# Altium PCB PCB_control_unit.PcbDoc
Units mm, origin at the board's own origin, x right, y up, seen from the top; angles counter-clockwise.
Board outline 59 x 45 mm, 4 copper layers (Top Layer, INT1, INT2, Bottom Layer), stack 1.422 mm thick; 111 components, 76 nets, 374 pads, 6 vias.
Unrouted connection lines stored in the file: 240.
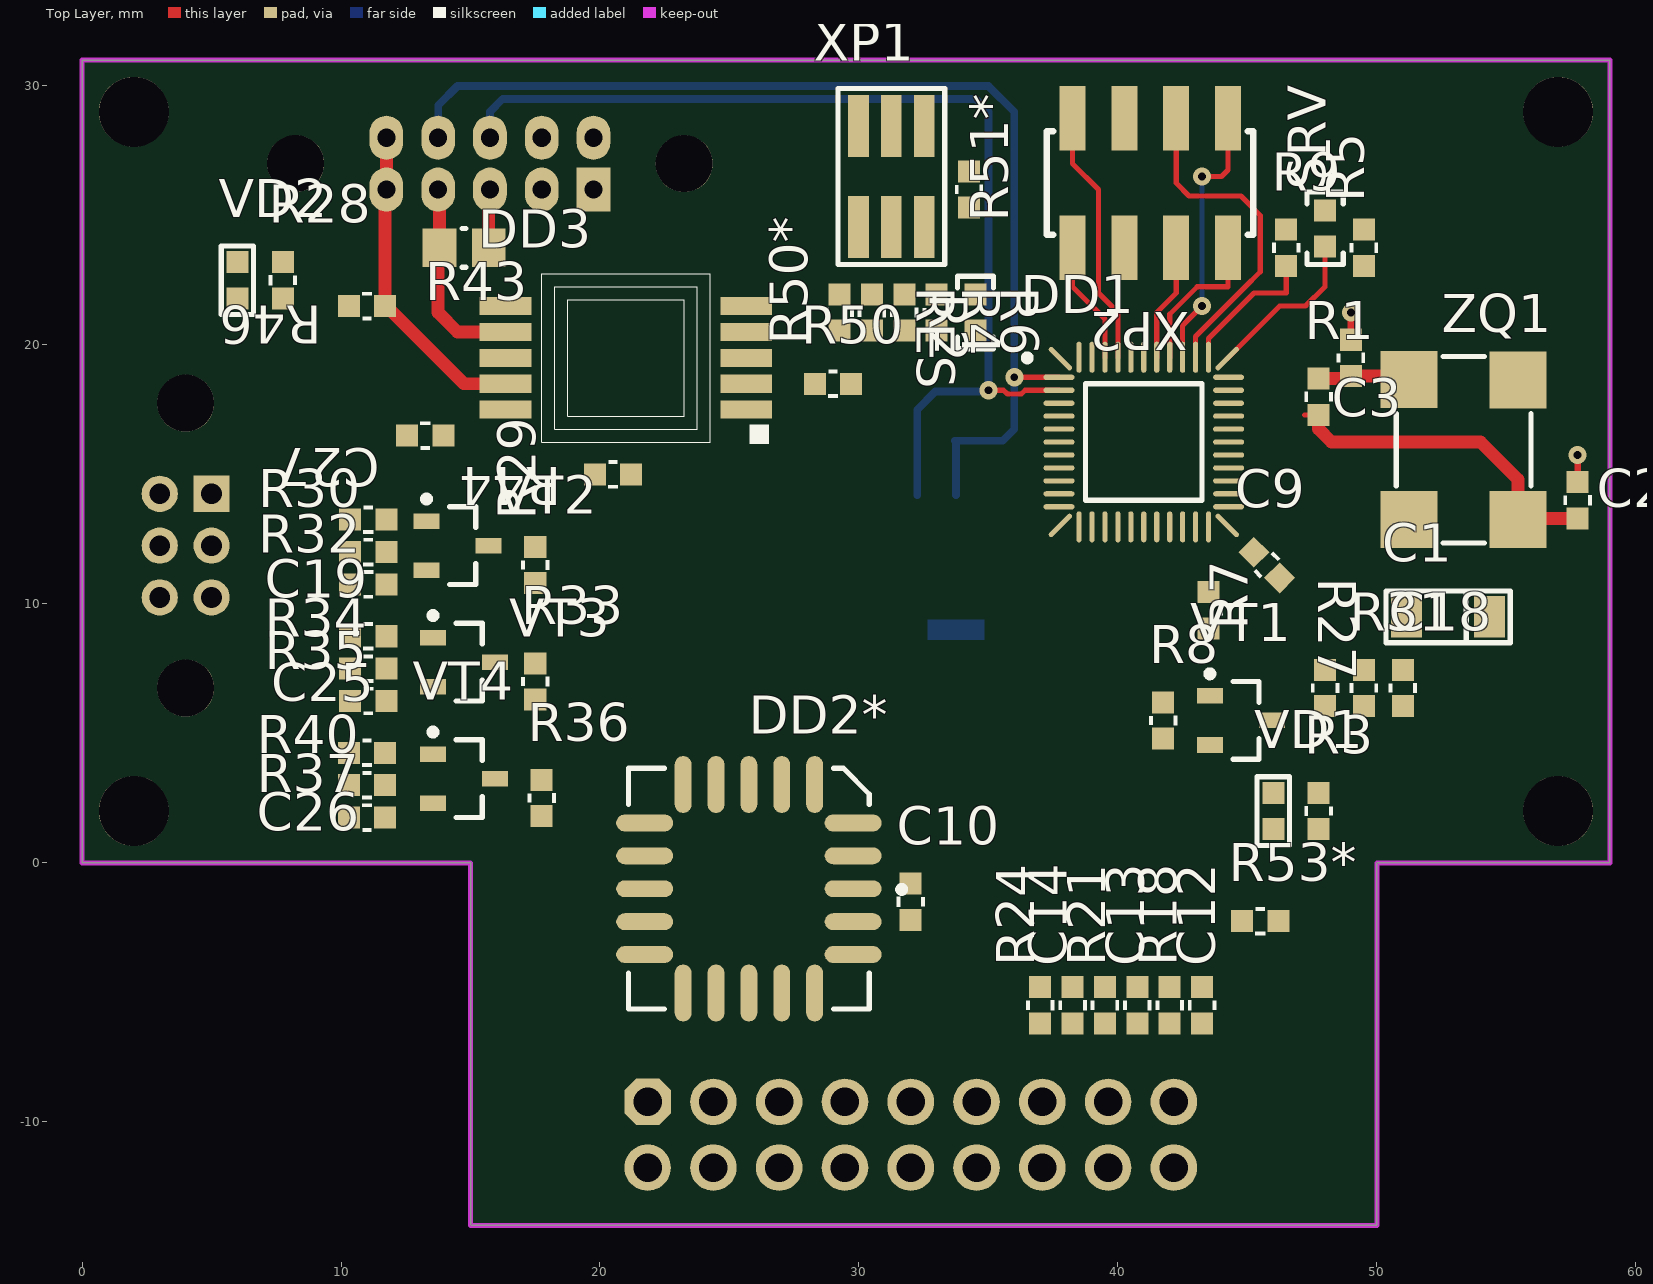
[diagram p0: Top Layer view]
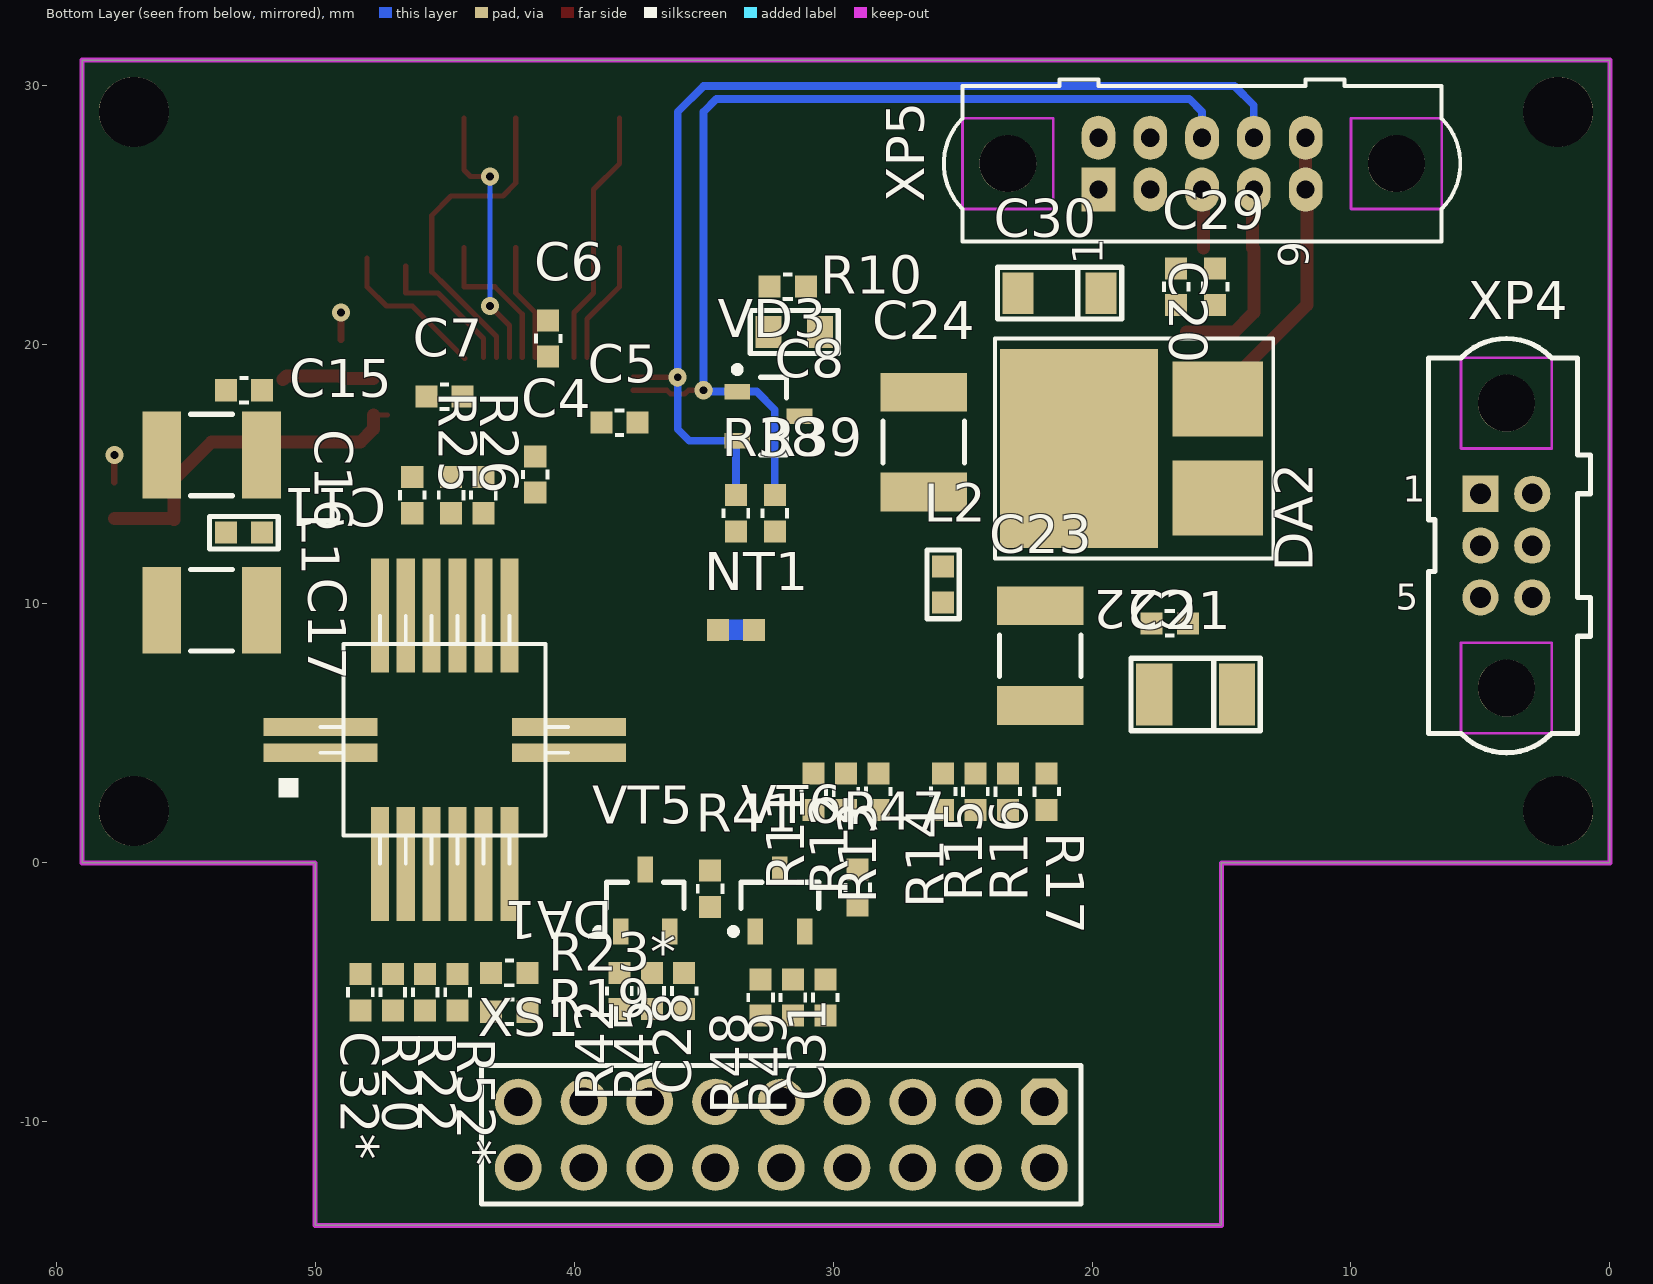
[diagram p1: Bottom Layer view, seen from below]

## Layer stack, top to bottom
Top Solder: solder mask 0.0102, Solder Resist, Dk 3.5
Top Layer: signal copper 0.018
PREPREG1: prepreg 0.32, 2116+7628, Dk 4.2
INT1: signal copper 0.018
CORE1: core 0.71, FR-4, Dk 4.2
INT2: signal copper 0.018
PREPREG2: prepreg 0.32, 2116+7628, Dk 4.2
Bottom Layer: signal copper 0.018
Bottom Solder: solder mask 0.0102, Solder Resist, Dk 3.5

## Board outline
0,0 0,31 59,31 59,0 50,0 50,-14 15,-14 15,0

## Design rules (kind name [scope] priority, off if disabled: settings)
Clearance KeepOutLayer [OnLayer('Keep-Out Layer')] p1: gap=0.5 ignorepadtopadclearanceinfootprint=FALSE except(0: Arc-Hole Track-Hole SMDPad-Hole THPad-Hole Via-Hole Fill-Hole Poly-Hole Region-Hole Text-Hole)
Clearance Clearance_0.125 [InComponent('DD1') vs InComponent('DD1')] p2: gap=0.2 ignorepadtopadclearanceinfootprint=FALSE except(0: Arc-Hole Track-Hole SMDPad-Hole THPad-Hole Via-Hole Fill-Hole Poly-Hole Region-Hole Text-Hole; 0.125: SMDPad-SMDPad) // Зазор между падами процессора;
Clearance Clearance_Polygon [InPolygon] p3: gap=0.4 ignorepadtopadclearanceinfootprint=FALSE except(0: Arc-Hole Track-Hole SMDPad-Hole THPad-Hole Via-Hole Fill-Hole Poly-Hole Region-Hole Text-Hole)
Clearance Clearance_MultiLayerPad [OnLayer('Multi-Layer') and IsPad] p4: gap=0.2 ignorepadtopadclearanceinfootprint=FALSE except(0: Arc-Hole Track-Hole SMDPad-Hole THPad-Hole Via-Hole Fill-Hole Poly-Hole Region-Hole Text-Hole)
Clearance [All] p5: gap=0.2 ignorepadtopadclearanceinfootprint=FALSE except(0: Arc-Hole Track-Hole SMDPad-Hole THPad-Hole Via-Hole Fill-Hole Poly-Hole Region-Hole Text-Hole)
ComponentClearance [All] p1 off: gap=0.254 collisioncheckmode=3 verticalgap=0.254 showdistances=FALSE
DiffPairsRouting [All] p1: maxlimit=0.254 minlimit=0.15 mostfreqgap=0.254 toplayer_minwidth=0.15 toplayer_maxwidth=0.381 toplayer_prefwidth=0.381 midlayer1_minwidth=0.15 midlayer1_maxwidth=0.381 midlayer1_prefwidth=0.381 midlayer2_minwidth=0.15 midlayer2_maxwidth=0.381 midlayer2_prefwidth=0.381 bottomlayer_minwidth=0.15 bottomlayer_maxwidth=0.381 bottomlayer_prefwidth=0.381 maxuncoupledlength=12.7
Height [All] p1: minheight=0 maxheight=60 prefheight=12.7
HoleSize [All] p1: absolutevalues=TRUE maxlimit=5 minlimit=0.3 maxpercent=80.000 minpercent=20.000
HoleToHoleClearance [All] p1: gap=0.2 allowstackedmicrovias=TRUE
MinimumAnnularRing MinimumAnnularRing_1 [All] p1: minimumring=0.2
MinimumSolderMaskSliver [All] p1: minsoldermaskwidth=0.15
PlaneClearance [All] p1: clearance=0.5
PlaneConnect [All] p1: planeconnectstyle=Relief reliefexpansion=0.5 reliefentries=4 reliefconductorwidth=0.3 reliefairgap=0.2
PolygonConnect PolygonConnect_PowerPAD [All vs InPadClass('PowerPAD')] p1: connectstyle=Direct reliefconductorwidth=1 reliefentries=4 polygonreliefangle="90 Angle" airgapwidth=0.3
PolygonConnect PolygonConnect_PadGND [InNet('GND') and IsPad] p2: connectstyle=Relief reliefconductorwidth=0.4 reliefentries=4 polygonreliefangle="90 Angle" airgapwidth=0.2
PolygonConnect PolygonConnect_PadGND2 [InNet('GND2') and IsPad] p3: connectstyle=Relief reliefconductorwidth=0.4 reliefentries=4 polygonreliefangle="90 Angle" airgapwidth=0.2
PolygonConnect PolygonConnect_Via [IsVia] p4: connectstyle=Direct reliefconductorwidth=0.254 reliefentries=4 polygonreliefangle="90 Angle" airgapwidth=0.254
PolygonConnect [All] p5: connectstyle=Relief reliefconductorwidth=0.6 reliefentries=4 polygonreliefangle="90 Angle" airgapwidth=0.3
RoutingVias [All] p1: holewidth=0.3 width=0.7 viastyle="Through Hole" minholewidth=0.3 minwidth=0.7 maxholewidth=0.5 maxwidth=1.2
SilkToSilkClearance [All] p1: silktosilkclearance=0
SilkToSolderMaskClearance [IsPad] p1: minsilkscreentomaskgap=0.05 clearancetoexposedcopper=TRUE
SolderMaskExpansion [All] p1: expansion=0.1
Width [All] p1: maxlimit=10 minlimit=0.2 preferedwidth=0.6
20 further rules are at their usual default settings.

## Classes and differential pairs
component class Sheet3: C15 C16 C17 C18 C19 C20 C21 C22 C23 C24 C25 C26 C27 C28 C29 C30 C31 DA2 DD3 L1 L2 NT1 R27 R28 R29 R30 R31 R32 R33 R34 R35 R36 R37 R38 R39 R40 R41 R42 R43 R44 R45 R46 R47 R48 R49 R50 VD2 VD3 VT2 VT3 VT4 VT5 VT6 XP4 XP5
component class Sheet2: C10 C11 C12 C13 C14 C32* DA1 DD2* R11 R12 R13 R14 R15 R16 R17 R18 R19 R20 R21 R22 R23* R24 R25 R26 R52* R53* XS1
component class Sheet1: C1 C2 C3 C4 C5 C6 C7 C8 C9 DD1 R1 R2 R3 R4 R5 R6 R7 R8 R9 R10 R50* R51* RES SRV VD1 VT1 XP1 XP2 ZQ1

## Components (designator, comment, footprint, x,y, rotation, side; value= is the part's Value field where it differs from the comment)
C1 "Tantalum capacitor, 4.7мк, 10V, ±10%, 2Ohm, case A (3216), -55...+125°C" "CAP: TANTAL-A" 52.75,9.5 r180 top value=4.7мк
C2 "Ceramic capacitor, 10, МП0, ±5%, 50V, 0603, -55...+125°C" "CAP: 0603P" 57.75,14 r90 top value=10
C3 "Ceramic capacitor, 10, МП0, ±5%, 50V, 0603, -55...+125°C" "CAP: 0603P" 49,19.5 r90 top value=10
C4 "Ceramic capacitor, 0.1мк, H90, +80-20%, 10V, 0603, -55...+125°C" "CAP: 0603P" 41.5,15 r90 bottom value=0.1мк
C5 "Ceramic capacitor, 0.1мк, H90, +80-20%, 10V, 0603, -55...+125°C" "CAP: 0603P" 38.25,17 r0 bottom value=0.1мк
C6 "Ceramic capacitor, 0.1мк, H90, +80-20%, 10V, 0603, -55...+125°C" "CAP: 0603P" 41,20.25 r270 bottom value=0.1мк
C7 "Ceramic capacitor, 0.1мк, H90, +80-20%, 10V, 0603, -55...+125°C" "CAP: 0603P" 45,18 r180 bottom value=0.1мк
C8 "Ceramic capacitor, 0.22мк, H90, +80/-20%, 25V, 0805 (2012M), -55...+125°C" "CAP: 0805" 31.5,20.5 r0 bottom value=0.22мк
C9 "Ceramic capacitor, 0.1мк, H90, +80-20%, 10V, 0603, -55...+125°C" "CAP: 0603P" 45.75,11.5 r135 top value=0.1мк
C10 "Ceramic capacitor, 0.1мк, H90, +80-20%, 10V, 0603, -55...+125°C" "CAP: 0603P" 32,-1.5 r270 top value=0.1мк
C11 "Ceramic capacitor, 0.1мк, H90, +80-20%, 10V, 0603, -55...+125°C" "CAP: 0603P" 46.25,14.2 r270 bottom value=0.1мк
C12 "Ceramic capacitor, 0.01мк, H20, ±20%, 50V, 0603, -55...+125°C" "CAP: 0603P" 43.25,-5.5 r270 top value=0.01мк
C13 "Ceramic capacitor, 0.1мк, H90, +80-20%, 10V, 0603, -55...+125°C" "CAP: 0603P" 40.75,-5.5 r90 top value=0.1мк
C14 "Ceramic capacitor, 0.1мк, H90, +80-20%, 10V, 0603, -55...+125°C" "CAP: 0603P" 38.25,-5.5 r90 top value=0.1мк
C15 "Ceramic capacitor, 0.1мк, H90, +80-20%, 10V, 0603, -55...+125°C" "CAP: 0603P" 52.75,18.25 r180 bottom value=0.1мк
C16 "Ceramic capacitor, 4.7мк, H90, +80 -20%, 25V, 1812 (4532М) (4.5x3.2), -55...+125°C" "CAP: 1812" 54,15.75 r180 bottom value=4.7мк
C17 "Ceramic capacitor, 4.7мк, H90, +80 -20%, 25V, 1812 (4532М) (4.5x3.2), -55...+125°C" "CAP: 1812" 54,9.75 r180 bottom value=4.7мк
C18 "Ceramic capacitor, 0.1мк, H90, +80-20%, 10V, 0603, -55...+125°C" "CAP: 0603P" 51,6.75 r90 top value=0.1мк
C19 "Ceramic capacitor, 0.01мк, H20, ±20%, 50V, 0603, -55...+125°C" "CAP: 0603P" 11.05,10.75 r180 top value=0.01мк
C20 "Ceramic capacitor, 0.1мк, H90, +80-20%, 10V, 0603, -55...+125°C" "CAP: 0603P" 15.25,22.25 r270 bottom value=0.1мк
C21 "Tantalum capacitor, 15мк, 10V, ±10%, , case B (3528), -55...+125°C" "CAP: TANTAL-B" 16,6.5 r0 bottom value=15мк
C22 "Ceramic capacitor, 0.1мк, H90, +80-20%, 10V, 0603, -55...+125°C" "CAP: 0603P" 17,9.25 r0 bottom value=0.1мк
C23 "Ceramic capacitor, 4.7мк, H90, +80 -20%, 25V, 1812 (4532М) (4.5x3.2), -55...+125°C" "CAP: 1812" 22,8 r90 bottom value=4.7мк
C24 "Ceramic capacitor, 4.7мк, H90, +80 -20%, 25V, 1812 (4532М) (4.5x3.2), -55...+125°C" "CAP: 1812" 26.5,16.25 r270 bottom value=4.7мк
C25 "Ceramic capacitor, 0.01мк, H20, ±20%, 50V, 0603, -55...+125°C" "CAP: 0603P" 11.05,6.25 r180 top value=0.01мк
C26 "Ceramic capacitor, 0.01мк, H20, ±20%, 50V, 0603, -55...+125°C" "CAP: 0603P" 11,1.75 r180 top value=0.01мк
C27 "Ceramic capacitor, 0.1мк, H90, +80-20%, 10V, 0603, -55...+125°C" "CAP: 0603P" 13.25,16.5 r180 top value=0.1мк
C28 "Ceramic capacitor, 0.01мк, H20, ±20%, 50V, 0603, -55...+125°C" "CAP: 0603P" 35.75,-4.95 r270 bottom value=0.01мк
C29 "Ceramic capacitor, 0.1мк, H90, +80-20%, 10V, 0603, -55...+125°C" "CAP: 0603P" 16.75,22.25 r270 bottom value=0.1мк
C30 "Tantalum capacitor, 4.7мк, 10V, ±10%, 2Ohm, case A (3216), -55...+125°C" "CAP: TANTAL-A" 21.25,22 r0 bottom value=4.7мк
C31 "Ceramic capacitor, 0.01мк, H20, ±20%, 50V, 0603, -55...+125°C" "CAP: 0603P" 30.3,-5.2 r270 bottom value=0.01мк
C32* "Ceramic capacitor, 0.01мк, H20, ±20%, 50V, 0603, -55...+125°C" "CAP: 0603P" 48.25,-5 r270 bottom value=0.01мк
DA1 "IC comparator, Open Drain, от ± 1,5В до ± 16,5В, -60...+125°C, Н04.16-1В" 16-Н04.16-1B 45,4.75 r90 bottom
DA2 "Linear voltage regulator, input 4.75...15V, 1.3V, output 3.3V, 0.8A, -40...+85°C, КТ-93-1" KT-93-1 18.5,16 r90 bottom
DD1 "Motor control microcontroller, 32-Bit, RISC, 100MHz, 64KB, 16KB, 3,3 В ± 10 %., -60...+85°C, 48-QLCC (МК 5162.48-1)" "48-QLCC (МК 5162.48-1) - SMALL PADS" 41,16.25 r0 top
DD2* "8 канальный буфер, 4.5..5.5V, -60...+125°C, 5121.20-A" "20-QLCC (5121.20-A)" 25.75,-1 r0 top
DD3 "5559ИН28У" Н02.8-1В 21,19.5 r180 top
L1 "Fixed inductor, 1мк, ±20%, 0603, 400mA, -55...+125°C" "IND: 0603" 52.75,12.75 r180 bottom value=1мк
L2 "Fixed inductor, 1мк, ±20%, 0603, 400mA, -55...+125°C" "IND: 0603" 25.75,10.75 r270 bottom value=1мк
NT1 "ValueManufacturerPartNumber" NetTie_0603 33.75,9 r0 bottom net-tie
R1 "Resistor film, 1М, ±5%, 0603, 0.1W, -55...+125°C" "RES: 0603P" 47.75,18 r270 top value=1М
R2 "Resistor film, 22, ±5%, 0603, 0.1W, -55...+125°C" "RES: 0603P" 30.5,21.25 r90 top value=22
R3 "Resistor film, 680, ±5%, 0603, 0.1W, -55...+125°C" "RES: 0603P" 47.75,2 r270 top value=680
R4 "Resistor film, 22, ±5%, 0603, 0.1W, -55...+125°C" "RES: 0603P" 31.75,21.25 r90 top value=22
R5 "Resistor film, 10k, ±5%, 0603, 0.1W, -55...+125°C" "RES: 0603P" 49.5,23.75 r90 top value=10k
R6 "Resistor film, 22, ±5%, 0603, 0.1W, -55...+125°C" "RES: 0603P" 33,21.25 r90 top value=22
R7 "Resistor film, 10k, ±5%, 0603, 0.1W, -55...+125°C" "RES: 0603P" 43.5,9.75 r90 top value=10k
R8 "Resistor film, 10k, ±5%, 0603, 0.1W, -55...+125°C" "RES: 0603P" 41.75,5.5 r90 top value=10k
R9 "Resistor film, 10k, ±5%, 0603, 0.1W, -55...+125°C" "RES: 0603P" 46.5,23.75 r270 top value=10k
R10 "Resistor film, 100k, ±5%, 0603, 0.1W, -55...+125°C" "RES: 0603P" 31.75,22.25 r180 bottom value=100k
R11 "Resistor film, 10k, ±5%, 0603, 0.1W, -55...+125°C" "RES: 0603P" 30.75,2.75 r270 bottom value=10k
R12 "Resistor film, 10k, ±5%, 0603, 0.1W, -55...+125°C" "RES: 0603P" 29.5,2.75 r270 bottom value=10k
R13 "Resistor film, 10k, ±5%, 0603, 0.1W, -55...+125°C" "RES: 0603P" 28.25,2.75 r270 bottom value=10k
R14 "Resistor film, 10k, ±5%, 0603, 0.1W, -55...+125°C" "RES: 0603P" 25.75,2.75 r270 bottom value=10k
R15 "Resistor film, 10k, ±5%, 0603, 0.1W, -55...+125°C" "RES: 0603P" 24.5,2.75 r270 bottom value=10k
R16 "Resistor film, 10k, ±5%, 0603, 0.1W, -55...+125°C" "RES: 0603P" 23.25,2.75 r270 bottom value=10k
R17 "Resistor film, 10k, ±5%, 0603, 0.1W, -55...+125°C" "RES: 0603P" 21.75,2.75 r270 bottom value=10k
R18 "Resistor film, 100, ±5%, 0603, 0.1W, -55...+125°C" "RES: 0603P" 42,-5.5 r90 top value=100
R19 "Resistor film, 1k, ±1%, 0603, 0.1W, -55...+125°C" "RES: 0603P" 42.5,-5.75 r0 bottom value=1k
R20 "Resistor film, 10k, ±5%, 0603, 0.1W, -55...+125°C" "RES: 0603P" 47,-5 r90 bottom value=10k
R21 "Resistor film, 100, ±5%, 0603, 0.1W, -55...+125°C" "RES: 0603P" 39.5,-5.5 r90 top value=100
R22 "Resistor film, 10k, ±5%, 0603, 0.1W, -55...+125°C" "RES: 0603P" 45.75,-5 r90 bottom value=10k
R23* "Resistor film, 4.02k, ±1%, 0603, 0.1W, -55...+125°C" "RES: 0603P" 42.5,-4.25 r180 bottom value=4.02k
R24 "Resistor film, 100, ±5%, 0603, 0.1W, -55...+125°C" "RES: 0603P" 37,-5.5 r90 top value=100
R25 "Resistor film, 10k, ±5%, 0603, 0.1W, -55...+125°C" "RES: 0603P" 44.75,14.2 r90 bottom value=10k
R26 "Resistor film, 10k, ±5%, 0603, 0.1W, -55...+125°C" "RES: 0603P" 43.5,14.2 r90 bottom value=10k
R27 "Resistor film, 1k, ±1%, 0603, 0.1W, -55...+125°C" "RES: 0603P" 48,6.75 r90 top value=1k
R28 "Resistor film, 680, ±5%, 0603, 0.1W, -55...+125°C" "RES: 0603P" 7.75,22.5 r270 top value=680
R29 "Resistor film, 10k, ±5%, 0603, 0.1W, -55...+125°C" "RES: 0603P" 17.5,11.5 r90 top value=10k
R30 "Resistor film, 1k, ±1%, 0603, 0.1W, -55...+125°C" "RES: 0603P" 11.05,13.25 r0 top value=1k
R31 "Resistor film, 1k, ±1%, 0603, 0.1W, -55...+125°C" "RES: 0603P" 49.5,6.75 r270 top value=1k
R32 "Resistor film, 10k, ±5%, 0603, 0.1W, -55...+125°C" "RES: 0603P" 11.05,12 r0 top value=10k
R33 "Resistor film, 10k, ±5%, 0603, 0.1W, -55...+125°C" "RES: 0603P" 17.5,7 r90 top value=10k
R34 "Resistor film, 1k, ±1%, 0603, 0.1W, -55...+125°C" "RES: 0603P" 11.05,8.75 r0 top value=1k
R35 "Resistor film, 10k, ±5%, 0603, 0.1W, -55...+125°C" "RES: 0603P" 11.05,7.5 r0 top value=10k
R36 "Resistor film, 10k, ±5%, 0603, 0.1W, -55...+125°C" "RES: 0603P" 17.75,2.5 r90 top value=10k
R37 "Resistor film, 1k, ±1%, 0603, 0.1W, -55...+125°C" "RES: 0603P" 11,3 r0 top value=1k
R38 "Resistor film, 10k, ±5%, 0603, 0.1W, -55...+125°C" "RES: 0603P" 33.75,13.5 r90 bottom value=10k
R39 "Resistor film, 10k, ±5%, 0603, 0.1W, -55...+125°C" "RES: 0603P" 32.25,13.5 r90 bottom value=10k
R40 "Resistor film, 10k, ±5%, 0603, 0.1W, -55...+125°C" "RES: 0603P" 11,4.25 r0 top value=10k
R41 "Resistor film, 10k, ±5%, 0603, 0.1W, -55...+125°C" "RES: 0603P" 34.75,-1 r90 bottom value=10k
R42 "Resistor film, 1k, ±1%, 0603, 0.1W, -55...+125°C" "RES: 0603P" 38.25,-4.95 r90 bottom value=1k
R43 "Resistor film, 120, ±5%, 0805, 0.125W, -55...+125°C" "RES: 0805P" 14.75,23.75 r180 top value=120
R44 "Resistor film, 1k, ±1%, 0603, 0.1W, -55...+125°C" "RES: 0603P" 20.5,15 r0 top value=1k
R45 "Resistor film, 10k, ±5%, 0603, 0.1W, -55...+125°C" "RES: 0603P" 37,-4.95 r90 bottom value=10k
R46 "Resistor film, 1k, ±1%, 0603, 0.1W, -55...+125°C" "RES: 0603P" 11,21.5 r180 top value=1k
R47 "Resistor film, 10k, ±5%, 0603, 0.1W, -55...+125°C" "RES: 0603P" 29.05,-0.95 r90 bottom value=10k
R48 "Resistor film, 1k, ±1%, 0603, 0.1W, -55...+125°C" "RES: 0603P" 32.8,-5.2 r90 bottom value=1k
R49 "Resistor film, 10k, ±5%, 0603, 0.1W, -55...+125°C" "RES: 0603P" 31.55,-5.2 r90 bottom value=10k
R50 "Resistor film, 10k, ±5%, 0603, 0.1W, -55...+125°C" "RES: 0603P" 29,18.5 r0 top value=10k
R50* "Resistor film, 10k, ±5%, 0603, 0.1W, -55...+125°C" "RES: 0603P" 29.25,21.25 r270 top value=10k
R51* "Resistor film, 10k, ±5%, 0603, 0.1W, -55...+125°C" "RES: 0603P" 34.25,26 r90 top value=10k
R52* "Resistor film, 10k, ±5%, 0603, 0.1W, -55...+125°C" "RES: 0603P" 44.5,-5 r90 bottom value=10k
R53* "Resistor film, 100k, ±5%, 0603, 0.1W, -55...+125°C" "RES: 0603P" 45.5,-2.25 r0 top value=100k
RES "ValueManufacturerPartNumber" "CON: JUMPER X1" 34.5,21.25 r270 top
SRV "ValueManufacturerPartNumber" "CON: JUMPER X1" 48,24.5 r270 top (schematic designator 1*)
VD1 "LED, 20mA max, 2.1V typ, 1608, -55...+150°C" "LED: 0603G" 46,2 r90 top
VD2 "LED, 20mA max, 2.1V typ, 1608, -55...+150°C" "LED: 0603G" 6,22.5 r90 top
VD3 "Diode array common anode, 50V, 200mA, 1.1V, , SOT-23," SOT23#1 32.5,17.25 r180 bottom
VT1 "NPN transistor, 30V, 100mA, , 300mW, 0.7V, 500, SOT-23 (КТ-46), -55...+125°C" SOT23#2 44.75,5.5 r0 top
VT2 "NPN transistor, 30V, 100mA, , 300mW, 0.7V, 500, SOT-23 (КТ-46), -55...+125°C" SOT23#2 14.5,12.25 r0 top
VT3 "NPN transistor, 30V, 100mA, , 300mW, 0.7V, 500, SOT-23 (КТ-46), -55...+125°C" SOT23#2 14.75,7.75 r0 top
VT4 "NPN transistor, 30V, 100mA, , 300mW, 0.7V, 500, SOT-23 (КТ-46), -55...+125°C" SOT23#2 14.75,3.25 r0 top
VT5 "NPN transistor, 30V, 100mA, , 300mW, 0.7V, 500, SOT-23 (КТ-46), -55...+125°C" SOT23#1 37.25,-1.45 r90 bottom
VT6 "NPN transistor, 30V, 100mA, , 300mW, 0.7V, 500, SOT-23 (КТ-46), -55...+125°C" SOT23#1 32.05,-1.45 r90 bottom
XP1 "Connector, 6pin, 1.27mm, 125VAC, 1A" "CON: PLLD-6-S" 31.25,26.5 r0 top
XP2 "СНП377" "CON: PLD2-8-S" 41.25,26.25 r180 top
XP4 "Вилка, 6pin, 2mm, 120VAC, 1.5A" "CON: M80-5000605" 4,12.25 r180 bottom
XP5 "Вилка, 10pin, 2mm, 100V, 1.5A" "CON: M80-5001005" 15.75,27 r90 bottom
XS1 "Connector, 18pin, 2.54mm, 500VAC, 3A" "CON: PBD-18" 32,-10.5 r0 bottom
ZQ1 "Oscilator, 12MHz, CMOS, ±30ppm, case 5070, -40...+85°C" "OSC: 5070G" 51.25,13.25 r90 top
